# Altium PCB HIL_RIG_REV_1_1.PcbDoc (part 2 of 5)
Units mil, origin at the board's own origin, x right, y up, seen from the top; angles counter-clockwise.
Board outline 16250 x 7870 mil, 6 copper layers (Top Layer, Int1 (GND), Int2 (PWR), Int3 (Sign), Int4 (GND), Bottom Layer), stack 60.566 mil thick; 1117 components, 704 nets, 3589 pads, 6 vias.
Unrouted connection lines stored in the file: 2596.
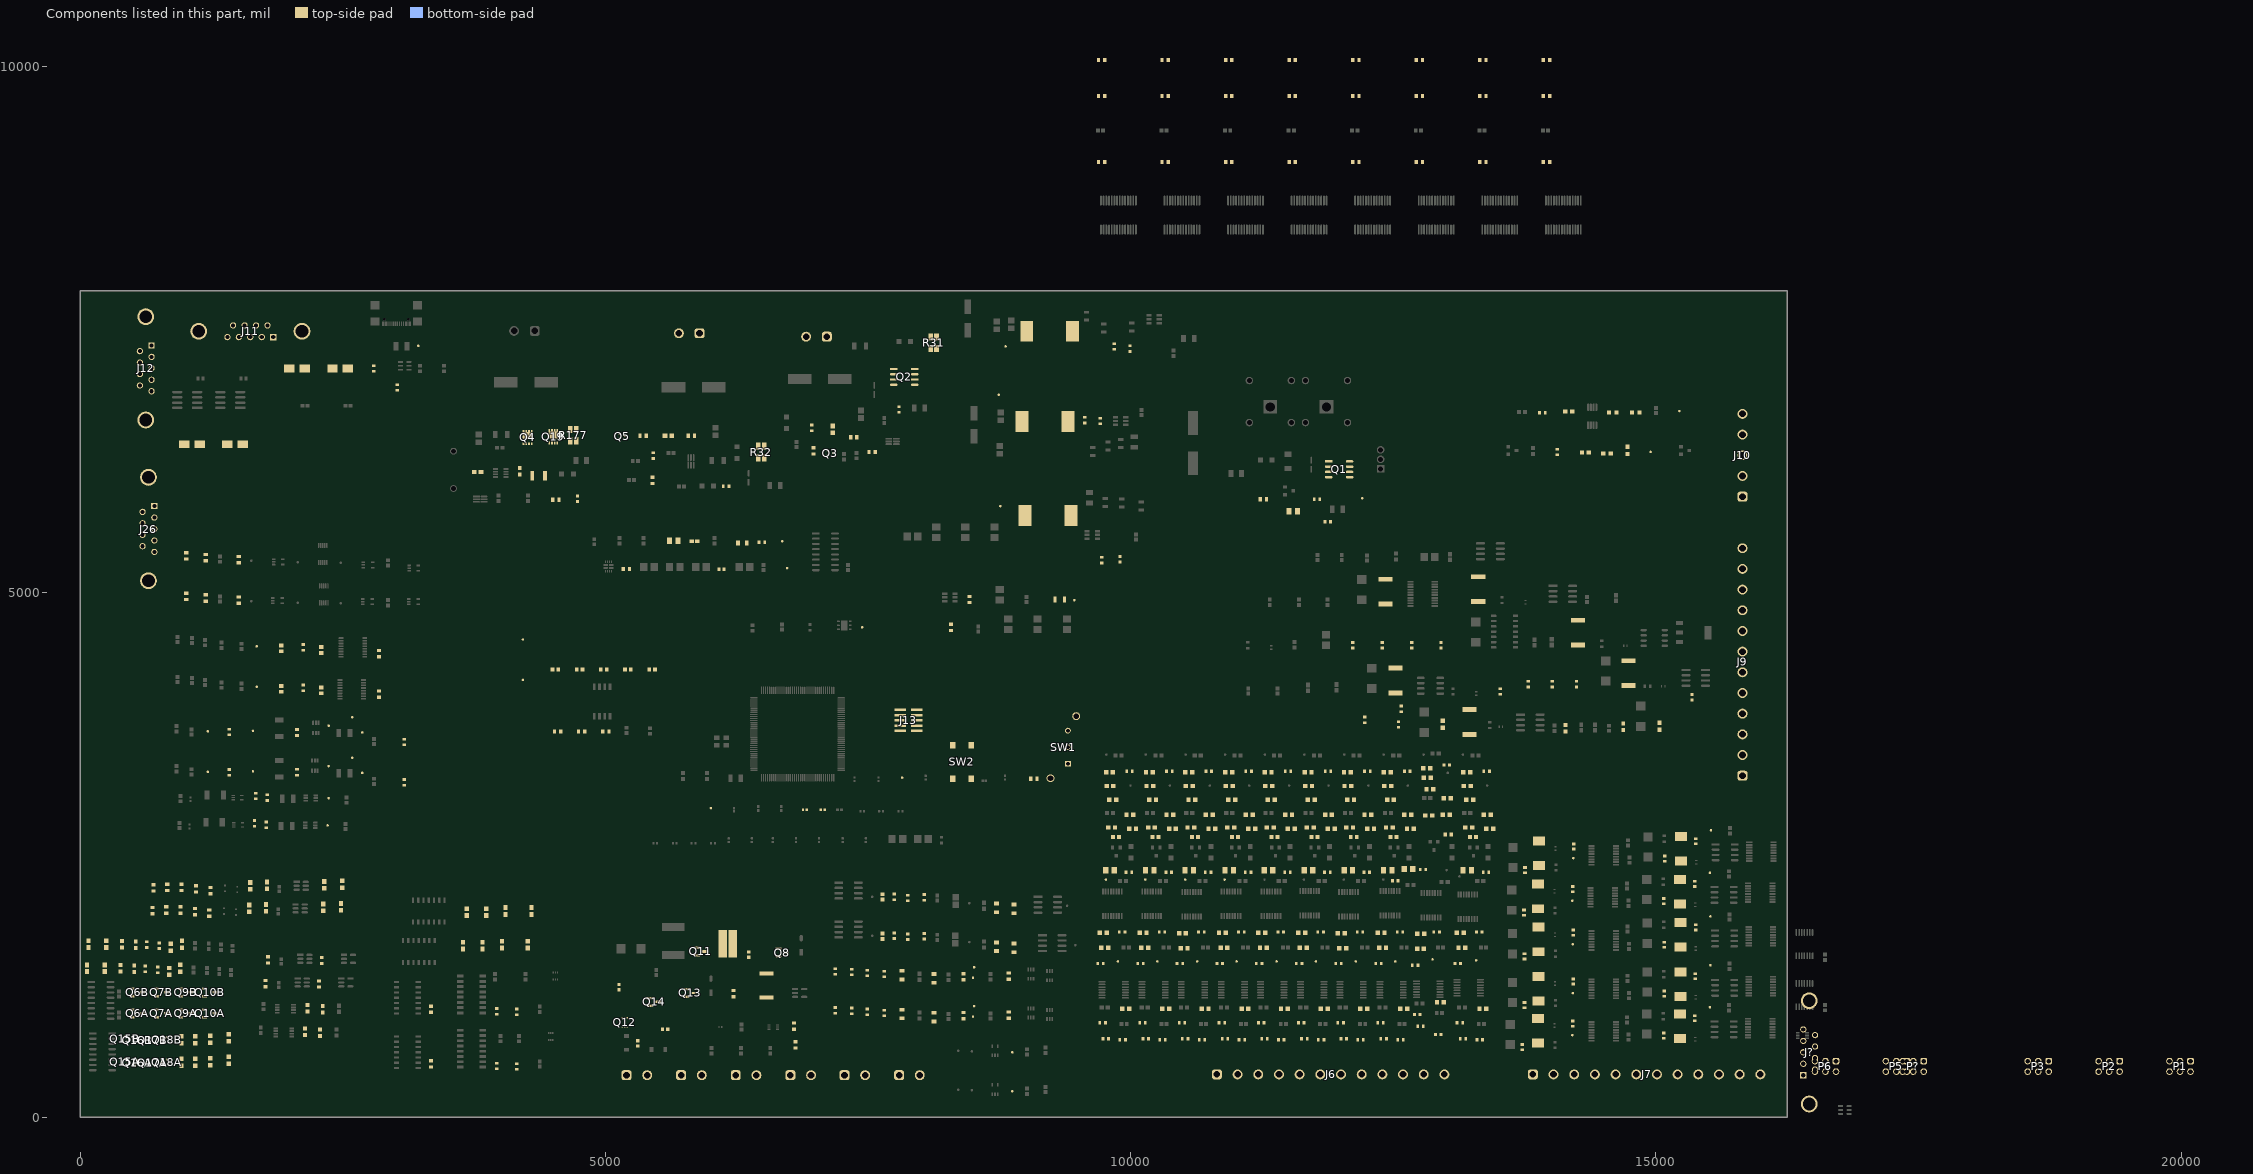
[diagram p4: the components of this part, seen from the top]

## Components (designator, comment, footprint, x,y, rotation, side; value= is the part's Value field where it differs from the comment) (continued)
J5 "691313710002" 691313710002 5798.43,7622.48 r180 top
J6 "691313710012" 691313710012 11904.72,252.52 r0 top
J7 "691313710012" 691313710012 14912.32,252.52 r0 top
J8 "691313710002" 691313710002 7010,7590 r180 top
J9 "691313710012" 691313710012 15982.48,4336.02 r90 top
J10 "691313710005" 691313710005 15982.48,6303.7 r90 top
J11 "A-DS_09_A_KG-T2S" ASSMANN_A-DS_09_A_KG-T2S 1620.47,7484.09 r180 top
J12 "A-DS_09_A_KG-T2S" ASSMANN_A-DS_09_A_KG-T2S 625,7131.42 r270 top
J13 "62731020621" 62731020621 7885.47,3780 r90 top
J20 "691313710002" 691313710002 6860,245.08 r0 top
J21 "691313710002" 691313710002 7375,245.08 r0 top
J22 "691313710002" 691313710002 7895,245.08 r0 top
J23 "691313710002" 691313710002 6340,245.08 r0 top
J24 "691313710002" 691313710002 5820,245.08 r0 top
J25 "691313710002" 691313710002 5300,245.08 r0 top
J26 "A-DS_09_A_KG-T2S" ASSMANN_A-DS_09_A_KG-T2S 650.91,5601.42 r270 top
J? "A-DS_09_A_KG-T2S" ASSMANN_A-DS_09_A_KG-T2S 16460,620 r90 top
L1 "33uH" SRP1265A 9230,7485 r180 top
L2 "SRP1265A-220M" FP-SRP1265A-MFG 9185,6625 r0 top value=22µH
L3 "SRP1265A-220M" FP-SRP1265A-MFG 9215,5730 r0 top value=22µH
L4 "LQM2HPN3R3MGCL" FP-LQM2HPN_G0-MFG 9325,4930 r0 top value=3.3µH
P1 "61200621721" 61200621721 19990,190 r0 top
P2 "61200621721" 61200621721 19315,190 r0 top
P3 "61200621721" 61200621721 18640,190 r0 top
P5 "61200621721" 61200621721 17290,190 r0 top
P6 "61200621721" 61200621721 16615,190 r0 top
P? "61200621721" 61200621721 17450,190 r0 top
Q1 "SI4948BEY-T1-E3" FP-C-06527-IPC_B 11985,6170 r0 top
Q2 "SI4948BEY-T1-E3" FP-C-06527-IPC_B 7845.17,7050 r0 top
Q3 "MMBT3904TT1G" ONSC-SC-75-3-463-01_V 7140,6325 r0 top
Q4 "DMT69M8LFV-7" DMP3036SFV7 4260,6472.09 r0 top
Q5 "MMBT3904TT1G" ONSC-SC-75-3-463-01_V 5160,6484.65 r0 top
Q6A "AO3401A" SOT95P280X125-3N 545,990 r0 top (schematic designator Q6)
Q6B "AO3401A" SOT95P280X125-3N 545,1190 r0 top (schematic designator Q6)
Q7A "AO3401A" SOT95P280X125-3N 775,990 r0 top (schematic designator Q7)
Q7B "AO3401A" SOT95P280X125-3N 775,1190 r0 top (schematic designator Q7)
Q8 "DMP3099L-7" FP-SOT23-IPC_B 6685,1570 r0 top
Q9A "AO3401A" SOT95P280X125-3N 1005,990 r0 top (schematic designator Q9)
Q9B "AO3401A" SOT95P280X125-3N 1005,1190 r0 top (schematic designator Q9)
Q10A "AO3401A" SOT95P280X125-3N 1235,990 r0 top (schematic designator Q10)
Q10B "AO3401A" SOT95P280X125-3N 1235,1190 r0 top (schematic designator Q10)
Q11 "MMBT3904-7-F" FP-SOT23-IPC_A 5910,1580 r0 top
Q12 "BSD316SN" INF-PG-SOT-363_L 5185,905 r90 top
Q13 "DMP3099L-7" FP-SOT23-IPC_B 5810,1185 r0 top
Q14 "MMBT3904-7-F" FP-SOT23-IPC_A 5465,1100 r0 top
Q15A "MMBT3904TT1G" ONSC-SC-75-3-463-01_V 425,530 r90 top (schematic designator Q15)
Q15B "MMBT3904TT1G" ONSC-SC-75-3-463-01_V 425,750 r90 top (schematic designator Q15)
Q16A "MMBT3904TT1G" ONSC-SC-75-3-463-01_V 545,520 r90 top (schematic designator Q16)
Q16B "MMBT3904TT1G" ONSC-SC-75-3-463-01_V 545,735 r90 top (schematic designator Q16)
Q17A "MMBT3904TT1G" ONSC-SC-75-3-463-01_V 685,520 r90 top (schematic designator Q17)
Q17B "MMBT3904TT1G" ONSC-SC-75-3-463-01_V 685,735 r90 top (schematic designator Q17)
Q18A "MMBT3904TT1G" ONSC-SC-75-3-463-01_V 825,525 r90 top (schematic designator Q18)
Q18B "MMBT3904TT1G" ONSC-SC-75-3-463-01_V 825,740 r90 top (schematic designator Q18)
Q19 "DMT69M8LFV-7" DMP3036SFV7 4505,6480 r0 top
R1 "MCS04020Z0000ZE000" FP-MCS0402-IPC_B 7070,2930 r0 top value=0
R2 "MCS04020Z0000ZE000" FP-MCS0402-IPC_B 6900,2930 r0 top value=0
R3 "Resistor 10k +/-1% 0603 100 mW" RESC1608X55X25ML10T15 9080,3225 r0 top value=10k
R4 "AC0603FR-7W100KL" FP-AC0603-IPC_C 11775,5885 r0 top value=100k
R5 "CRCW0805100RJNTA" RESC2013X50X30ML20T20 11550,5770 r0 top value=100
R6 "AC0603FR-7W100KL" FP-AC0603-IPC_C 11876.64,5670 r0 top value=100k
R7 "Resistor 10k +/-1% 0603 100 mW" RESC1608X55X25ML10T15 11265,5885 r0 top value=10k
R8 "CRCW060316K2FKEA" FP-CRCW0603-e3-IPC_C 6105,5220 r0 top value=16.2k
R9 "Resistor 10k +/-1% 0603 100 mW" RESC1608X55X25ML10T15 5200,5220 r0 top value=10k
R10 "AC0603FR-135K1L" FP-AC0603-IPC_C 6490,5475 r0 top value=5.1k
R11 "RT0805BRD07150KL" FP-RT0805-MFG 6305,5470 r0 top value=150k
R12 "RNCP0603FTD44K2" FP-RNCP0603-IPC_B 5849.35,5485 r0 top value=44.2k
R13 "RN73R2ATTD1002B25" FP-RN73R2A-IPC_A 5650,5490 r0 top value=10k
R14 "CPF0603B100KE" FP-CPF0603-MFG 14590,6710 r0 top value=100k
R15 "MCT0603MC1000FP500" FP-MCT0603-IPC_A 14170,6720 r0 top value=100
R16 "CPF0603B100KE" FP-CPF0603-MFG 14810,6710 r0 top value=100k
R17 "RT0603BRD0711K8L" FP-RT0603-IPC_C 13920,6710 r0 top value=11.8k
R18 "MCT0603MC1000FP500" FP-MCT0603-IPC_A 14330,6330 r0 top value=100
R19 "CPF0603B100KE" FP-CPF0603-MFG 14535,6320 r0 top value=100k
R20 "AC0603FR-7W100KL" FP-AC0603-IPC_C 9845,7338.36 r90 top value=100k
R21 "CRGCQ2512F10R" FP-CRGCQ2512-IPC_B 14740,4230 r90 top value=10
R22A "AC0603FR-0733RL" FP-AC0603-IPC_C 3086,3190 r90 top value=33 (schematic designator R22)
R22B "AC0603FR-0733RL" FP-AC0603-IPC_C 3086,3575 r90 top value=33 (schematic designator R22)
R23 "RT0603BRE0730KL" FP-RT0603-IPC_C 14015,4125 r90 top value=30k
R24 "RT0603BRE0730KL" FP-RT0603-IPC_C 14245,4125 r90 top value=30k
R25 "RT0603BRE0710KL" FP-RT0603-IPC_C 15345,4000 r90 top value=10k
R26 "RT0603BRE0710KL" FP-RT0603-IPC_C 13785,4125 r90 top value=10k
R27A "AC0603FR-0733RL" FP-AC0603-IPC_C 1421,3285 r90 top value=33 (schematic designator R27)
R27B "AC0603FR-0733RL" FP-AC0603-IPC_C 1421,3670 r90 top value=33 (schematic designator R27)
R28A "AC0603FR-0733RL" FP-AC0603-IPC_C 1661,2800 r90 top value=33 (schematic designator R28)
R28B "AC0603FR-0733RL" FP-AC0603-IPC_C 1671,3060 r90 top value=33 (schematic designator R28)
R29 "AC0603FR-135K1L" FP-AC0603-IPC_C 3020,6948.36 r90 top value=5.1k
R30 "AC0603FR-135K1L" FP-AC0603-IPC_C 2795,7130 r90 top value=5.1k
R31 "L4T12FR020DER" FP-L4T12-MFG 8125,7375 r90 top value=20m
R32 "L4T12FR020DER" FP-L4T12-MFG 6485,6334.65 r90 top value=20m
R33 "Resistor 10k +/-1% 0603 100 mW" RESC1608X55X25ML10T15 7540,6335 r0 top value=10k
R34 "CRGCQ0603F150K" FP-CRGCQ0603-IPC_A 3785,6145 r0 top value=150k
R35 "AC0603FR-073K48L" FP-AC0603-IPC_C 9995,7318.36 r90 top value=3.48k
R36 "Resistor 10k +/-1% 0603 100 mW" RESC1608X55X25ML10T15 4530,5880 r0 top value=10k
R37 "AC0603FR-7W100KL" FP-AC0603-IPC_C 7795,6740 r90 top value=100k
R38 "AC0603FR-7W100KL" FP-AC0603-IPC_C 6965,6565 r90 top value=100k
R39 "Resistor 10k +/-1% 0603 100 mW" RESC1608X55X25ML10T15 5360,6489.65 r0 top value=10k
R40 "CRGCQ0603F150K" FP-CRGCQ0603-IPC_A 5600,6489.65 r0 top value=150k
R41 "AC0603FR-7W100KL" FP-AC0603-IPC_C 6150,6009.65 r0 top value=100k
R42 "Resistor 10k +/-1% 0603 100 mW" RESC1608X55X25ML10T15 5450,6065 r90 top value=10k
R43 "RN73R1JTTD1004B25" FP-RN73R1J-IPC_B 4185,6150 r90 top value=1M
R44 "RT0603BRE07100KL" FP-RT0603-IPC_C 4735,5890 r90 top value=100k
R45 "Resistor 10k +/-1% 0603 100 mW" RESC1608X55X25ML10T15 5005,3675 r0 top value=10k
R46 "Resistor 22R +/-1% 0603 100 mW" RESC1609X50X30ML08T20 5445,4265 r0 top value=22
R47 "Resistor 22R +/-1% 0603 100 mW" RESC1609X50X30ML08T20 5215,4265 r0 top value=22
R48 "Resistor 22R +/-1% 0603 100 mW" RESC1609X50X30ML08T20 4985,4265 r0 top value=22
R49 "Resistor 22R +/-1% 0603 100 mW" RESC1609X50X30ML08T20 4755,4265 r0 top value=22
R50 "Resistor 10k +/-1% 0603 100 mW" RESC1608X55X25ML10T15 7365,6475 r0 top value=10k
R51 "AC0603FR-7W100KL" FP-AC0603-IPC_C 5455,6300 r90 top value=100k
R52 "Resistor 10k +/-1% 0603 100 mW" RESC1608X55X25ML10T15 5820,6489.65 r0 top value=10k
R53A "AC0603FR-10100RL" FP-AC0603-IPC_C 2126,4090 r90 top value=100 (schematic designator R53)
R53B "AC0603FR-10100RL" FP-AC0603-IPC_C 2126,4475 r90 top value=100 (schematic designator R53)
R54 "CPF0603B100KE" FP-CPF0603-MFG 14730,6350 r90 top value=100k
R55 "RT0603BRD0711K8L" FP-RT0603-IPC_C 14060,6335 r90 top value=11.8k
R56A "Resistor 10k +/-1% 0603 100 mW" RESC1608X55X25ML10T15 2846,4030 r90 top value=10k (schematic designator R56)
R56B "Resistor 10k +/-1% 0603 100 mW" RESC1608X55X25ML10T15 2846,4415 r90 top value=10k (schematic designator R56)
R57A "RT0603BRE07300KL" FP-RT0603-IPC_C 9924.32,740 r0 top value=300k (schematic designator R57)
R57B "RT0603BRE07300KL" FP-RT0603-IPC_C 10304.32,740 r0 top value=300k (schematic designator R57)
R57C "RT0603BRE07300KL" FP-RT0603-IPC_C 10679.32,740 r0 top value=300k (schematic designator R57)
R57D "RT0603BRE07300KL" FP-RT0603-IPC_C 11059.32,740 r0 top value=300k (schematic designator R57)
R57E "RT0603BRE07300KL" FP-RT0603-IPC_C 11434.32,740 r0 top value=300k (schematic designator R57)
R57F "RT0603BRE07300KL" FP-RT0603-IPC_C 11814.32,740 r0 top value=300k (schematic designator R57)
R57G "RT0603BRE07300KL" FP-RT0603-IPC_C 12189.32,740 r0 top value=300k (schematic designator R57)
R57H "RT0603BRE07300KL" FP-RT0603-IPC_C 12569.32,740 r0 top value=300k (schematic designator R57)
R57I "RT0603BRE07300KL" FP-RT0603-IPC_C 12928.36,790 r0 top value=300k (schematic designator R57)
R57J "RT0603BRE07300KL" FP-RT0603-IPC_C 13324.32,740 r0 top value=300k (schematic designator R57)
R58A "Resistor 22R +/-1% 0603 100 mW" RESC1609X50X30ML08T20 2296,4065 r90 top value=22 (schematic designator R58)
R58B "Resistor 22R +/-1% 0603 100 mW" RESC1609X50X30ML08T20 2296,4450 r90 top value=22 (schematic designator R58)
R59A "Resistor 22R +/-1% 0603 100 mW" RESC1609X50X30ML08T20 1916,4080 r90 top value=22 (schematic designator R59)
R59B "Resistor 22R +/-1% 0603 100 mW" RESC1609X50X30ML08T20 1916,4465 r90 top value=22 (schematic designator R59)
R60A "RMCF0603JG330R" FP-RMCF0603-MFG 2066,3285 r90 top value=330 (schematic designator R60)
R60B "RMCF0603JG330R" FP-RMCF0603-MFG 2066,3665 r90 top value=330 (schematic designator R60)
R61A "RT0603BRD07240KL" FP-RT0603-IPC_C 9764.32,750 r0 top value=240k (schematic designator R61)
R61B "RT0603BRD07240KL" FP-RT0603-IPC_C 10144.32,750 r0 top value=240k (schematic designator R61)
R61C "RT0603BRD07240KL" FP-RT0603-IPC_C 10519.32,750 r0 top value=240k (schematic designator R61)
R61D "RT0603BRD07240KL" FP-RT0603-IPC_C 10899.32,750 r0 top value=240k (schematic designator R61)
R61E "RT0603BRD07240KL" FP-RT0603-IPC_C 11274.32,750 r0 top value=240k (schematic designator R61)
R61F "RT0603BRD07240KL" FP-RT0603-IPC_C 11654.32,750 r0 top value=240k (schematic designator R61)
R61G "RT0603BRD07240KL" FP-RT0603-IPC_C 12029.32,750 r0 top value=240k (schematic designator R61)
R61H "RT0603BRD07240KL" FP-RT0603-IPC_C 12409.32,750 r0 top value=240k (schematic designator R61)
R61I "RT0603BRD07240KL" FP-RT0603-IPC_C 12759.32,870 r0 top value=240k (schematic designator R61)
R61J "RT0603BRD07240KL" FP-RT0603-IPC_C 13164.32,750 r0 top value=240k (schematic designator R61)
R62A "MCT0603MD1002BP500" FP-MCT0603-IPC_A 9954.32,1035 r0 top value=10k (schematic designator R62)
R62B "MCT0603MD1002BP500" FP-MCT0603-IPC_A 10334.32,1035 r0 top value=10k (schematic designator R62)
R62C "MCT0603MD1002BP500" FP-MCT0603-IPC_A 10709.32,1035 r0 top value=10k (schematic designator R62)
R62D "MCT0603MD1002BP500" FP-MCT0603-IPC_A 11089.32,1035 r0 top value=10k (schematic designator R62)
R62E "MCT0603MD1002BP500" FP-MCT0603-IPC_A 11464.32,1035 r0 top value=10k (schematic designator R62)
R62F "MCT0603MD1002BP500" FP-MCT0603-IPC_A 11844.32,1035 r0 top value=10k (schematic designator R62)
R62G "MCT0603MD1002BP500" FP-MCT0603-IPC_A 12219.32,1035 r0 top value=10k (schematic designator R62)
R62H "MCT0603MD1002BP500" FP-MCT0603-IPC_A 12599.32,1035 r0 top value=10k (schematic designator R62)
R62I "MCT0603MD1002BP500" FP-MCT0603-IPC_A 12949.32,1095 r0 top value=10k (schematic designator R62)
R62J "MCT0603MD1002BP500" FP-MCT0603-IPC_A 13354.32,1035 r0 top value=10k (schematic designator R62)
R63A "RT0603BRD079K1L" FP-RT0603-IPC_C 9734.32,900 r0 top value=9.1k (schematic designator R63)
R63B "RT0603BRD079K1L" FP-RT0603-IPC_C 10114.32,900 r0 top value=9.1k (schematic designator R63)
R63C "RT0603BRD079K1L" FP-RT0603-IPC_C 10489.32,900 r0 top value=9.1k (schematic designator R63)
R63D "RT0603BRD079K1L" FP-RT0603-IPC_C 10869.32,900 r0 top value=9.1k (schematic designator R63)
R63E "RT0603BRD079K1L" FP-RT0603-IPC_C 11244.32,900 r0 top value=9.1k (schematic designator R63)
R63F "RT0603BRD079K1L" FP-RT0603-IPC_C 11624.32,900 r0 top value=9.1k (schematic designator R63)
R63G "RT0603BRD079K1L" FP-RT0603-IPC_C 11999.32,900 r0 top value=9.1k (schematic designator R63)
R63H "RT0603BRD079K1L" FP-RT0603-IPC_C 12379.32,900 r0 top value=9.1k (schematic designator R63)
R63I "RT0603BRD079K1L" FP-RT0603-IPC_C 12729.32,980 r0 top value=9.1k (schematic designator R63)
R63J "RT0603BRD079K1L" FP-RT0603-IPC_C 13134.32,900 r0 top value=9.1k (schematic designator R63)
R64A "MCT0603MD1002BP500" FP-MCT0603-IPC_A 9754.32,1615 r0 top value=10k (schematic designator R64)
R64B "MCT0603MD1002BP500" FP-MCT0603-IPC_A 10134.32,1615 r0 top value=10k (schematic designator R64)
R64C "MCT0603MD1002BP500" FP-MCT0603-IPC_A 10509.32,1610 r0 top value=10k (schematic designator R64)
R64D "MCT0603MD1002BP500" FP-MCT0603-IPC_A 10889.32,1615 r0 top value=10k (schematic designator R64)
R64E "MCT0603MD1002BP500" FP-MCT0603-IPC_A 11264.32,1615 r0 top value=10k (schematic designator R64)
R64F "MCT0603MD1002BP500" FP-MCT0603-IPC_A 11644.32,1615 r0 top value=10k (schematic designator R64)
R64G "MCT0603MD1002BP500" FP-MCT0603-IPC_A 12019.32,1610 r0 top value=10k (schematic designator R64)
R64H "MCT0603MD1002BP500" FP-MCT0603-IPC_A 12399.32,1615 r0 top value=10k (schematic designator R64)
R64I "MCT0603MD1002BP500" FP-MCT0603-IPC_A 12760,1605 r0 top value=10k (schematic designator R64)
R64J "MCT0603MD1002BP500" FP-MCT0603-IPC_A 13154.32,1615 r0 top value=10k (schematic designator R64)
R65A "RT0603BRD07180KL" FP-RT0603-IPC_C 9714.32,1465 r0 top value=180k (schematic designator R65)
R65B "RT0603BRD07180KL" FP-RT0603-IPC_C 10094.32,1465 r0 top value=180k (schematic designator R65)
R65C "RT0603BRD07180KL" FP-RT0603-IPC_C 10469.32,1465 r0 top value=180k (schematic designator R65)
R65D "RT0603BRD07180KL" FP-RT0603-IPC_C 10849.32,1465 r0 top value=180k (schematic designator R65)
R65E "RT0603BRD07180KL" FP-RT0603-IPC_C 11224.32,1465 r0 top value=180k (schematic designator R65)
R65F "RT0603BRD07180KL" FP-RT0603-IPC_C 11604.32,1465 r0 top value=180k (schematic designator R65)
R65G "RT0603BRD07180KL" FP-RT0603-IPC_C 11979.32,1465 r0 top value=180k (schematic designator R65)
R65H "RT0603BRD07180KL" FP-RT0603-IPC_C 12359.32,1465 r0 top value=180k (schematic designator R65)
R65I "RT0603BRD07180KL" FP-RT0603-IPC_C 12709.32,1450 r0 top value=180k (schematic designator R65)
R65J "RT0603BRD07180KL" FP-RT0603-IPC_C 13114.32,1465 r0 top value=180k (schematic designator R65)
R66A "RT0603BRD07180KL" FP-RT0603-IPC_C 9919.32,1765 r0 top value=180k (schematic designator R66)
R66B "RT0603BRD07180KL" FP-RT0603-IPC_C 10299.32,1765 r0 top value=180k (schematic designator R66)
R66C "RT0603BRD07180KL" FP-RT0603-IPC_C 10674.32,1765 r0 top value=180k (schematic designator R66)
R66D "RT0603BRD07180KL" FP-RT0603-IPC_C 11054.32,1765 r0 top value=180k (schematic designator R66)
R66E "RT0603BRD07180KL" FP-RT0603-IPC_C 11429.32,1765 r0 top value=180k (schematic designator R66)
R66F "RT0603BRD07180KL" FP-RT0603-IPC_C 11809.32,1765 r0 top value=180k (schematic designator R66)
R66G "RT0603BRD07180KL" FP-RT0603-IPC_C 12184.32,1765 r0 top value=180k (schematic designator R66)
R66H "RT0603BRD07180KL" FP-RT0603-IPC_C 12564.32,1765 r0 top value=180k (schematic designator R66)
R66I "RT0603BRD07180KL" FP-RT0603-IPC_C 12913.36,1765 r0 top value=180k (schematic designator R66)
R66J "RT0603BRD07180KL" FP-RT0603-IPC_C 13319.32,1765 r0 top value=180k (schematic designator R66)
R67A "MCT0603MD1002BP500" FP-MCT0603-IPC_A 9739.32,1760 r0 top value=10k (schematic designator R67)
R67B "MCT0603MD1002BP500" FP-MCT0603-IPC_A 10119.32,1760 r0 top value=10k (schematic designator R67)
R67C "MCT0603MD1002BP500" FP-MCT0603-IPC_A 10494.32,1755 r0 top value=10k (schematic designator R67)
R67D "MCT0603MD1002BP500" FP-MCT0603-IPC_A 10874.32,1760 r0 top value=10k (schematic designator R67)
R67E "MCT0603MD1002BP500" FP-MCT0603-IPC_A 11249.32,1760 r0 top value=10k (schematic designator R67)
R67F "MCT0603MD1002BP500" FP-MCT0603-IPC_A 11629.32,1760 r0 top value=10k (schematic designator R67)
R67G "MCT0603MD1002BP500" FP-MCT0603-IPC_A 12004.32,1755 r0 top value=10k (schematic designator R67)
R67H "MCT0603MD1002BP500" FP-MCT0603-IPC_A 12384.32,1760 r0 top value=10k (schematic designator R67)
R67I "MCT0603MD1002BP500" FP-MCT0603-IPC_A 12762.35,1750 r0 top value=10k (schematic designator R67)
R67J "MCT0603MD1002BP500" FP-MCT0603-IPC_A 13139.32,1760 r0 top value=10k (schematic designator R67)
R68A "RT0603BRD0790K9L" FP-RT0603-IPC_C 9983.7,2335 r0 top value=90.9k (schematic designator R68)
R68B "RT0603BRD0790K9L" FP-RT0603-IPC_C 10363.7,2335 r0 top value=90.9k (schematic designator R68)
R68C "RT0603BRD0790K9L" FP-RT0603-IPC_C 10738.7,2335 r0 top value=90.9k (schematic designator R68)
R68D "RT0603BRD0790K9L" FP-RT0603-IPC_C 11118.7,2335 r0 top value=90.9k (schematic designator R68)
R68E "RT0603BRD0790K9L" FP-RT0603-IPC_C 11493.7,2335 r0 top value=90.9k (schematic designator R68)
R68F "RT0603BRD0790K9L" FP-RT0603-IPC_C 11873.7,2335 r0 top value=90.9k (schematic designator R68)
R68G "RT0603BRD0790K9L" FP-RT0603-IPC_C 12248.7,2335 r0 top value=90.9k (schematic designator R68)
R68H "RT0603BRD0790K9L" FP-RT0603-IPC_C 12520,2255 r0 top value=90.9k (schematic designator R68)
R68I "RT0603BRD0790K9L" FP-RT0603-IPC_C 12783.7,2360 r0 top value=90.9k (schematic designator R68)
R68J "RT0603BRD0790K9L" FP-RT0603-IPC_C 13383.7,2335 r0 top value=90.9k (schematic designator R68)
R69A "TNPW060339K2BEEA" RESC1609X55X30NL10T20 9859.32,2670 r0 top value=39.2k (schematic designator R69)
R69B "TNPW060339K2BEEA" RESC1609X55X30NL10T20 10239.32,2670 r0 top value=39.2k (schematic designator R69)
R69C "TNPW060339K2BEEA" RESC1609X55X30NL10T20 10614.32,2670 r0 top value=39.2k (schematic designator R69)
R69D "TNPW060339K2BEEA" RESC1609X55X30NL10T20 10994.32,2670 r0 top value=39.2k (schematic designator R69)
R69E "TNPW060339K2BEEA" RESC1609X55X30NL10T20 11369.32,2670 r0 top value=39.2k (schematic designator R69)
R69F "TNPW060339K2BEEA" RESC1609X55X30NL10T20 11749.32,2670 r0 top value=39.2k (schematic designator R69)
R69G "TNPW060339K2BEEA" RESC1609X55X30NL10T20 12124.32,2670 r0 top value=39.2k (schematic designator R69)
R69H "TNPW060339K2BEEA" RESC1609X55X30NL10T20 12504.32,2670 r0 top value=39.2k (schematic designator R69)
R69I "TNPW060339K2BEEA" RESC1609X55X30NL10T20 13024.32,2695 r0 top value=39.2k (schematic designator R69)
R69J "TNPW060339K2BEEA" RESC1609X55X30NL10T20 13259.32,2670 r0 top value=39.2k (schematic designator R69)
R70A "MCT06030D2402BP500" FP-MCT0603-IPC_A 9829.32,3025 r0 top value=24k (schematic designator R70)
R70B "MCT06030D2402BP500" FP-MCT0603-IPC_A 10209.32,3025 r0 top value=24k (schematic designator R70)
R70C "MCT06030D2402BP500" FP-MCT0603-IPC_A 10584.32,3025 r0 top value=24k (schematic designator R70)
R70D "MCT06030D2402BP500" FP-MCT0603-IPC_A 10964.32,3025 r0 top value=24k (schematic designator R70)
R70E "MCT06030D2402BP500" FP-MCT0603-IPC_A 11339.32,3025 r0 top value=24k (schematic designator R70)
R70F "MCT06030D2402BP500" FP-MCT0603-IPC_A 11719.32,3025 r0 top value=24k (schematic designator R70)
R70G "MCT06030D2402BP500" FP-MCT0603-IPC_A 12094.32,3025 r0 top value=24k (schematic designator R70)
R70H "MCT06030D2402BP500" FP-MCT0603-IPC_A 12474.32,3025 r0 top value=24k (schematic designator R70)
R70I "MCT06030D2402BP500" FP-MCT0603-IPC_A 12849.32,3125 r0 top value=24k (schematic designator R70)
R70J "MCT06030D2402BP500" FP-MCT0603-IPC_A 13229.32,3025 r0 top value=24k (schematic designator R70)
R71A "MCT0603MD1002BP500" FP-MCT0603-IPC_A 9819.32,2760 r0 top value=10k (schematic designator R71)
R71B "MCT0603MD1002BP500" FP-MCT0603-IPC_A 10199.32,2760 r0 top value=10k (schematic designator R71)
R71C "MCT0603MD1002BP500" FP-MCT0603-IPC_A 10574.32,2760 r0 top value=10k (schematic designator R71)
R71D "MCT0603MD1002BP500" FP-MCT0603-IPC_A 10954.32,2760 r0 top value=10k (schematic designator R71)
R71E "MCT0603MD1002BP500" FP-MCT0603-IPC_A 11329.32,2760 r0 top value=10k (schematic designator R71)
R71F "MCT0603MD1002BP500" FP-MCT0603-IPC_A 11709.32,2760 r0 top value=10k (schematic designator R71)
R71G "MCT0603MD1002BP500" FP-MCT0603-IPC_A 12084.32,2760 r0 top value=10k (schematic designator R71)
R71H "MCT0603MD1002BP500" FP-MCT0603-IPC_A 12464.32,2760 r0 top value=10k (schematic designator R71)
R71I "MCT0603MD1002BP500" FP-MCT0603-IPC_A 13005,2880 r0 top value=10k (schematic designator R71)
R71J "MCT0603MD1002BP500" FP-MCT0603-IPC_A 13219.32,2760 r0 top value=10k (schematic designator R71)
R72A "RN73R2ATTD1002B25" FP-RN73R2A-IPC_A 9803.7,2355 r0 top value=10k (schematic designator R72)
R72B "RN73R2ATTD1002B25" FP-RN73R2A-IPC_A 10183.7,2355 r0 top value=10k (schematic designator R72)
R72C "RN73R2ATTD1002B25" FP-RN73R2A-IPC_A 10558.7,2355 r0 top value=10k (schematic designator R72)
R72D "RN73R2ATTD1002B25" FP-RN73R2A-IPC_A 10938.7,2355 r0 top value=10k (schematic designator R72)
R72E "RN73R2ATTD1002B25" FP-RN73R2A-IPC_A 11313.7,2355 r0 top value=10k (schematic designator R72)
R72F "RN73R2ATTD1002B25" FP-RN73R2A-IPC_A 11693.7,2355 r0 top value=10k (schematic designator R72)